# Altium PCB Carte_Alim-4L - CopieBK2023-02-12.PcbDoc (part 3 of 3)
Units mm, origin at the board's own origin, x right, y up, seen from the top; angles counter-clockwise.
Board outline 100 x 100 mm, 4 copper layers (Top Copper, Ground Plane, Power Plane, Bottom Copper), stack 1.57 mm thick; 239 components, 108 nets, 703 pads, 328 vias.
Unrouted connection lines stored in the file: 5.
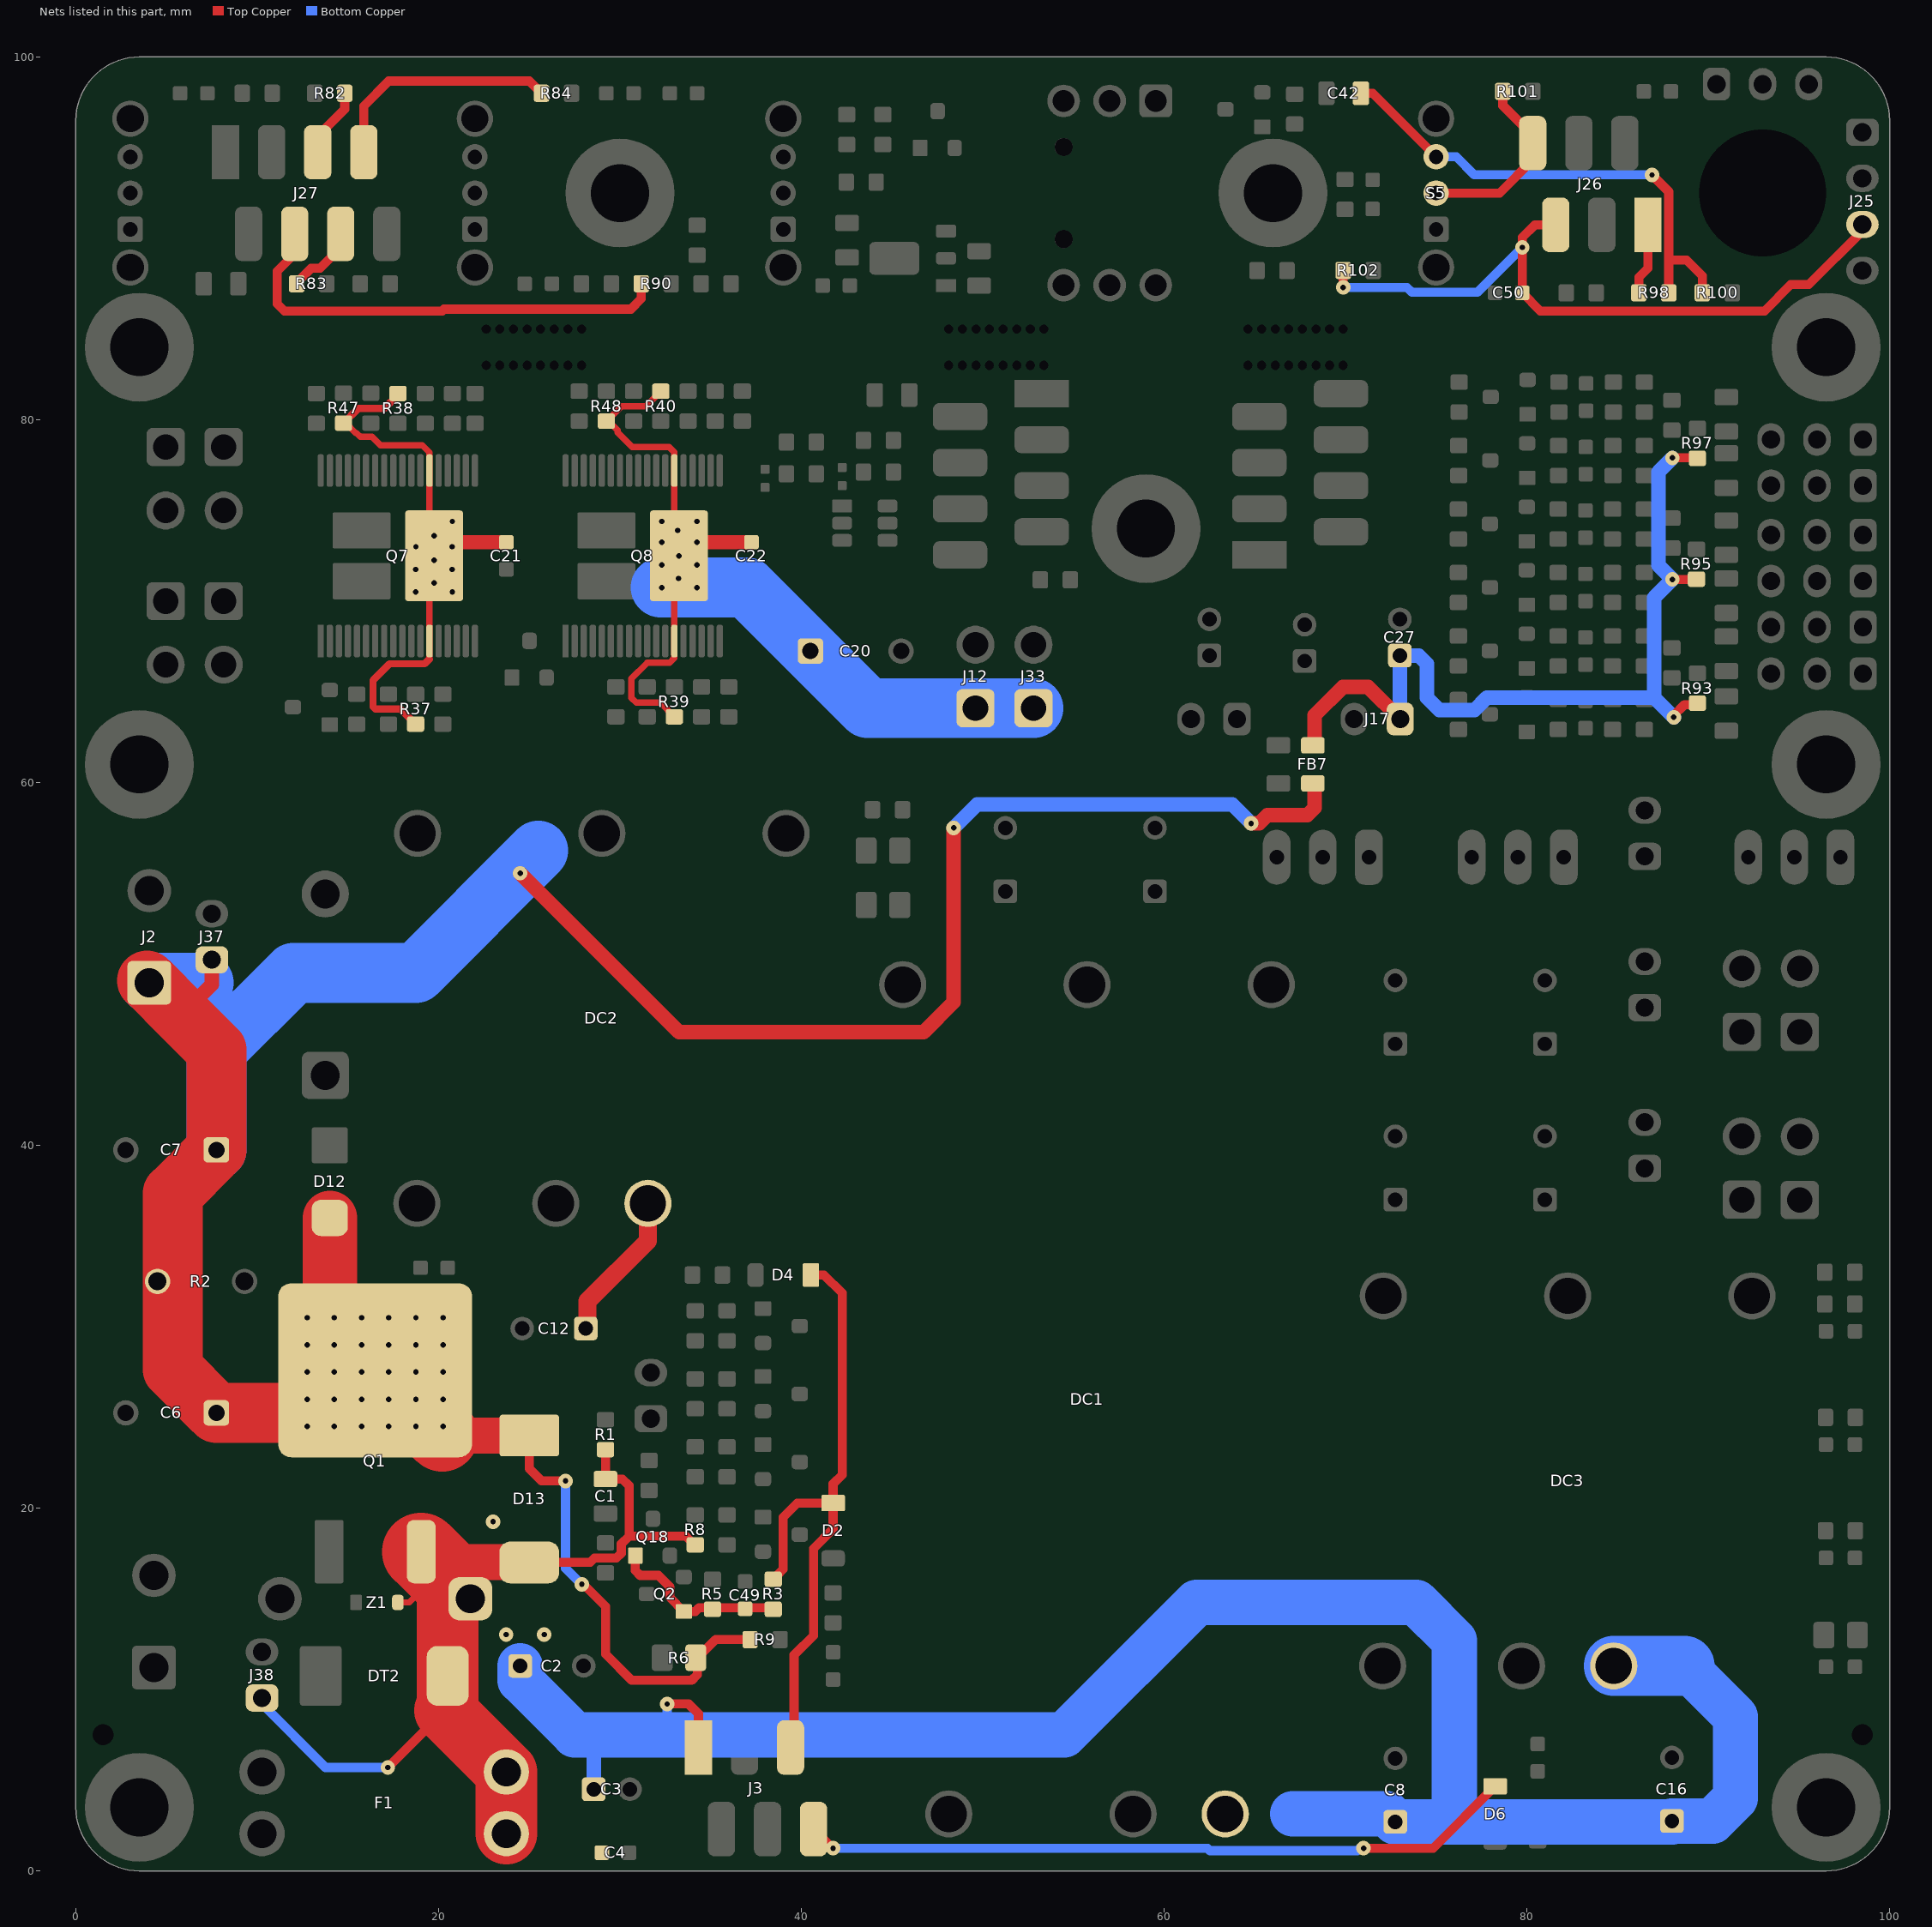
[diagram p5: the nets of this part, all layers, seen from the top]

## Via types
v1: diameter 0.8, hole 0.3, Top Copper to Bottom Copper, tented both sides, 328 vias

## Nets (pads, with @x,y where several pads share a name; then routed paths per layer and width w, separated by ;. In a path a pad name is that pad's centre, name@x,y a point inside that pad or via, vN(x,y) a via of type N, cw(c..) or ccw(c..) an arc to the next point about the centre after c; other vN are vias at no path point) (continued)
PWR: C6.1 C7.1 C20.1 C21.2 C22.2 D12.2 D13.1 FB7.1 J2.1 J12.1 J33.1 J37.1 Q1.4 Q7.13 Q7.24 Q7.37 Q8.13 Q8.24 Q8.37 R2.1 R6.1 R9.2 R37.2 R38.2 R39.2 R40.2 R47.2 R48.2 | length 254.2
  Top Copper w0.35: R47.2@14.759,79.815 14.885,79.815 15.435,79.265 15.482,79.265 15.681,79.066 16.333,79.066 16.803,78.596 19.104,78.596 19.5,78.2 Q7.24@19.5,77.2 Q7.37@19.5,72.75 ; 19.5,66.798 Q7.13@19.5,67.8 Q7.37@19.5,72.25 ; R40.2@32.25,81.575 31.425,80.75 30.075,80.75 R48.2@29.25,79.925 29.371,79.925 29.875,79.421 29.875,79.3 30.675,78.5 32.712,78.5 33,78.212 Q8.24@33,77.2 Q8.37@33,72.75 ; R39.2@33,63.628 32.228,64.4 30.9,64.4 30.625,64.675 30.625,64.696 30.626,64.697 30.626,65.731 31.493,66.598 32.728,66.598 33,66.87 33,71.25 33,72.25 v1(33.25,72.5)
  Top Copper w0.4: R47.2@14.759,79.815 15.569,80.625 17.009,80.625 17.759,81.375 R38.2@17.759,81.45 ; R37.2@18.734,63.222 17.909,64.047 16.518,64.047 16.384,64.182 16.384,65.64 17.292,66.547 19.234,66.547 19.484,66.798
  Top Copper w0.5: D13.1@25,24 25,22.175 25.675,21.5 v1(27,21.5) ; v1(27.9,15.8) 27.981,15.8 29.2,14.581 29.2,11.95 30.65,10.5 33.95,10.5 34.275,10.825 34.275,11.75 35.275,12.75 R9.2@37.175,12.75
  Top Copper w0.8: 5.835,47.175 5.835,47.195 7.5,48.86 J37.1@7.5,50.23 ; Q7.37@20.5,73.25 C21.2@23.735,73.25 ; v1(24.5,55) 33.25,46.25 46.75,46.25 48.4,47.9 v1(48.4,57.5) ; Q8.37@34,73.25 v1(34.25,73.25) C22.2@37.25,73.25 ; v1(64.801,57.75) 65.255,57.75 65.705,58.2 67.9,58.2 68.3,58.6 FB7.1@68.3,59.7
  Top Copper w2: Q1.4@20.2,24 D13.1@25,24
  Top Copper w3: D12.2@14,36 14,30.5 14,30.45 Q1.4@15.25,29.2
  Top Copper w3.3: J2.1@3.925,49.085 J2.1@4.05,48.96 5.835,47.175 7.75,45.26 C7.1@7.75,39.75 5.35,37.35 5.35,27.65 C6.1@7.61,25.39 ; C6.1@7.75,25.25 Q1.4@14.3,25.25
  Top Copper w4: Q1.4@16.5,27.7 Q1.4@20.2,24
  Bottom Copper w0.5: v1(27,21.5) 27,16.675 27.875,15.8 v1(27.9,15.8)
  Bottom Copper w0.8: v1(48.4,57.5) 49.7,58.8 63.751,58.8 v1(64.801,57.75)
  Bottom Copper w3.3: J2.1@4.05,48.96 7.04,48.96 ; C7.1@7.75,39.75 7.75,45.25 12,49.5 18.75,49.5 25.5,56.25 ; v1@32.25,70.75 v1(32.302,70.75) v1(34.25,70.75) 37,70.75 43.65,64.1 J12.1@49.6,64.1 J33.1@52.8,64.1
  other v1: 12.75,24.5 14.25,24.5 15.75,24.5 17.25,24.5 18.75,24.5 20.25,24.5 12.75,26 14.25,26 15.75,26 17.25,26 18.75,26 20.25,26 12.75,27.5 14.25,27.5 15.75,27.5 17.25,27.5 18.75,27.5 20.25,27.5 12.75,29 14.25,29 15.75,29 17.25,29 18.75,29 20.25,29 12.75,30.5 14.25,30.5 15.75,30.5 17.25,30.5 18.75,30.5 20.25,30.5 18.734,70.5 20.759,70.5 19.75,71 33.235,71.25 18.734,71.75 20.743,71.75 32.302,72 34.25,72 19.75,72.25 18.75,73 20.743,73 32.3,73.25 19.75,73.599 33.175,73.9 20.759,74.396 32.302,74.396 34.25,74.396
PWR_CAP: C27.1 FB7.2 J17.1 R93.1 R95.1 R97.1 | length 47.8
  Top Copper w0.5: v1(88.025,71.2) R95.1@89.35,71.2 ; v1(88.025,77.9) R97.1@89.4,77.9 ; v1(88.1,63.6) 88.1,63.7 88.7,64.3 R93.1@89.4,64.3
  Top Copper w0.8: FB7.2@68.3,62.3 68.3,63.71 69.867,65.277 71.243,65.277 J17.1@73.02,63.5
  Bottom Copper w0.8: J17.1@73.02,63.5 73,63.52 C27.1@73,67 74.05,67 74.5,66.55 74.5,64.675 75.175,64 77.114,64 77.791,64.677 87.023,64.677 87.025,64.675 ; v1(88.025,77.9) 87.25,77.125 87.25,71.975 v1(88.025,71.2) 87.025,70.2 87.025,64.675 ; v1(88.1,63.6) 87.025,64.675
SR_OD: C49.2 Q2.1 Q18.1 R3.2 R5.1 | length 9.7
  Top Copper w0.5: Q18.1@30.847,17.38 30.847,16.553 31.11,16.29 32.11,16.29 32.75,15.65 32.75,15.064 Q2.1@33.516,14.297 34.15,14.297 34.353,14.5 35.1,14.5 36.7,14.5 R3.2@38.375,14.5
SW_1: J27.5 R82.2 | length 3.9
  Top Copper w0.5: J27.5@13.335,94.75 13.335,95.635 14.825,97.125 R82.2@14.825,98
SW_2: J27.6 R83.2 | length 4
  Top Copper w0.5: R83.2@12.175,87.5 12.175,87.55 12.977,88.352 13.457,88.352 14.605,89.5 J27.6@14.605,90.25
SW_3: J27.7 R84.2 | length 13.2
  Top Copper w0.5: J27.7@15.875,94.75 15.875,97.3 17.25,98.675 25,98.675 R84.2@25.675,98
SW_AU: C50.1 D2.1 D4.1 J3.5 J25.3 J26.5 R3.1 R102.2 | length 73.9
  Top Copper w0.5: R3.1@38.45,16.075 38.5,16.075 38.675,16.25 38.675,16.3 39,16.625 39,19.495 39.78,20.275 D2.1@41.75,20.275 ; J3.5@39.405,6.8 39.6,6.995 39.6,11.9 40.675,12.975 40.675,17.775 41.75,18.85 D2.1@41.75,20.275 ; D4.1@40.525,32.85 41.25,32.85 42.25,31.85 42.25,21.834 41.75,21.334 D2.1@41.75,20.275 ; R102.2@69.859,88.216 R102.2@69.875,88.232 v1(69.875,87.3) ; J26.5@81.595,90.75 80.45,90.75 79.75,90.05 v1(79.75,89.5) C50.1@79.75,87 80.75,86 93.1,86 94.55,87.45 95.55,87.45 98.5,90.4 J25.3@98.5,90.77 ; J25.3@98.5,91 J25.3@98.5,91.27
  Bottom Copper w0.5: v1(69.875,87.3) 73.4,87.3 73.677,87.023 77.273,87.023 v1(79.75,89.5)
SW_L: D6.1 J3.6 J26.6 R101.1 S5.2 | length 49.9
  Top Copper w0.5: J3.6@40.675,2.3 41.725,1.25 v1(41.75,1.25) ; v1(71,1.25) 74.835,1.25 D6.1@78.25,4.665 ; S5.2@75,92.5 78.5,92.5 80.325,94.325 J26.6@80.325,95.25 80.325,95.675 78.675,97.325 R101.1@78.675,98.1
  Bottom Copper w0.5: v1(41.75,1.25) 62.393,1.25 62.53,1.113 70.64,1.113 v1@70.777,1.25
SW_TIRETTE: J27.4 R90.2 | length 25.6
  Top Copper w0.5: J27.4@12.065,90.25 12.065,89.157 11.1,88.192 11.1,86.4 11.5,86 20.2,86 20.3,86.1 30.6,86.1 31.175,86.675 R90.2@31.175,87.5
VBATT: C1.2 C2.1 C3.1 C4.2 C8.1 C12.1 C16.1 D13.2 DC1.1 DC2.1 DC3.1 DT2.2 F1.2 F1.4 J3.1 J26.1 J38.1 pad.0@21.75,15 Q1.3 R1.2 R8.2 R98.1 Z1.2 | length 179.6
  Top Copper w0.35: Z1.2@17.75,14.8 18.375,14.8 19.04,15.465
  Top Copper w0.5: v1(17.2,5.7) 20.343,8.842 ; 19.04,15.465 Q1.3@19.04,17.6 ; D13.2@25.5,17.014 28.356,17.014 28.592,17.25 29.808,17.25 30.07,17.512 30.07,18.02 30.502,18.452 ; C1.2@29.2,21.6 R1.2@29.2,23.225 ; C1.2@29.228,21.6 29.228,21.598 30.137,21.598 30.502,21.233 30.502,18.452 ; v1(32.6,9.2) 33.783,9.2 34.325,8.658 J3.1@34.325,6.8 ; R8.2@34.15,17.975 34.1,17.975 33.623,18.452 30.502,18.452 ; R98.1@86.175,87 86.175,87.858 86.675,88.358 J26.1@86.675,90.75
  Top Copper w1: C12.1@28.21,29.9 28.21,31.406 31.54,34.736 DC2.1@31.54,36.8
  Top Copper w2: 20.5,16.14 21.385,17.025 24.975,17.025 D13.2@25,17
  Top Copper w3.4: 20.343,8.842 F1.2@23.735,5.45 F1.4@23.735,2.05 ; 20.5,8.685 DT2.2@20.5,10.75 20.5,16.14
  Top Copper w4.3: Q1.3@19.04,17.6 20.5,16.14
  Bottom Copper w0.5: J38.1@10.265,9.53 10.265,9.195 13.76,5.7 v1(17.2,5.7) ; 32.6,7.5 v1(32.6,9.2)
  Bottom Copper w0.8: C3.1@28.55,4.5 28.55,6.25
  Bottom Copper w2.5: C2.1@24.5,11.3 24.5,10.5 27.5,7.5 28.55,7.5 32.6,7.5 54.5,7.5 61.8,14.8 73.9,14.8 76,12.7 76,3 76.3,2.7 ; 67.1,3.14 72.31,3.14 C8.1@72.75,2.7 76.3,2.7 ; C16.1@88,2.7 76.3,2.7 ; C16.1@88,2.75 90.25,2.75 91.5,4 91.5,8.5 88.7,11.3
  Bottom Copper w3.3: DC3.1@84.79,11.3 88.7,11.3
  other v1: 23.725,13.025 25.825,13.025 23,19.25
VBATT_CLAV: C42.2 R98.2 R100.1 S5.3 | length 27.9
  Top Copper w0.5: C42.2@70.85,98 71.5,98 S5.3@75,94.5 ; v1(86.9,93.5) 87.825,92.575 87.825,88.8 ; R98.2@87.825,87 87.825,88.8 ; R100.1@89.675,87 89.675,87.925 88.8,88.8 87.825,88.8
  Bottom Copper w0.5: S5.3@75,94.5 76.108,94.5 77.108,93.5 v1(86.9,93.5)
pads on no net: D14.1 D14.4 H1.1 H2.1 Q7.1 Q7.5 Q7.9 Q7.14 Q7.18 Q7.23 Q7.28 Q7.32 Q7.36 Q8.1 Q8.5 Q8.9 Q8.14 Q8.18 Q8.23 Q8.28 Q8.32 Q8.36 S1.1 S1.None S2.1 S2.None S3.1 S3.None S4.3 S4.4 S4.MH1 S4.MH2 S5.None

## Polygon pours and split planes (outlines as drawn)
GND on Top Copper "GND_Bot" (solid, pour order 46): 3.5,0 96.5,0 ccw(c96.5,3.5) 100,3.5 100,96.5 ccw(c96.5,96.5) 96.5,100 3.5,100 ccw(c3.5,96.5) 0,96.5 0,3.5 ccw(c3.5,3.5)
MOT1_P on Top Copper "MOT1_P_bot" (solid, pour order 44): 17,72.5 17.5,72.5 17.75,72.75 17.75,75 18,75.25 18.5,75.25 19,75.25 19.25,75.5 19.25,78.25 16.75,78.25 16.75,76.25 14.293,76.25 14.293,78.25 13.75,78.25 13.5,78 13.5,76 12,74.5 12,72.5 17.5,72.5
MOT1_N on Top Copper "MOT1_N_bot" (solid, pour order 43): 17,72.5 17.5,72.5 17.75,72.25 17.75,70 18,69.75 18.5,69.75 19,69.75 19.25,69.5 19.25,66.75 16.75,66.75 16.75,68.75 14.293,68.75 14.293,66.75 13.75,66.75 13.5,67 13.5,69 12,70.5 12,72.5 17.5,72.5
MOT2_P on Top Copper "MOT2_P_bot" (solid, pour order 42): 30.5,72.5 31,72.5 31.25,72.75 31.25,75 31.5,75.25 32,75.25 32.5,75.25 32.75,75.5 32.75,78.25 30.25,78.25 30.25,76.25 27.793,76.25 27.793,78.25 27.25,78.25 27,78 27,76 25.5,74.5 25.5,72.5 31,72.5
MOT2_N on Top Copper "MOT2_N_bot" (solid, pour order 41): 30.5,72.5 31,72.5 31.25,72.25 31.25,70 31.5,69.75 32,69.75 32.5,69.75 32.75,69.5 32.75,66.75 30.25,66.75 30.25,68.75 27.793,68.75 27.793,66.75 27.25,66.75 27,67 27,69 25.5,70.5 25.5,72.5 31,72.5
PWR on Top Copper "PWR_1" (solid, pour order 32): 1.75,51.25 12.515,51.25 18.75,45.015 18.75,40 18.75,35.275 27.4,26.625 27.4,21.263 26.106,19.97 10.603,19.97 2.073,28.5 1.75,28.823
VBATT on Top Copper "VBATT_1" (solid, pour order 31): 30.048,0 15.39,0 15.5,9.75 15.5,19.4 16.25,20.15 25.67,20.15 27.347,18.472 27.347,11 30.048,8.3
BATT_P on Top Copper "BATT_P" (solid, pour order 29): 12,8.75 11.901,0 0,0 0,13.75 7,13.75
GND on Bottom Copper "GND_Top" (solid, pour order 45): 3.5,0 96.5,0 ccw(c96.5,3.5) 100,3.5 100,96.5 ccw(c96.5,96.5) 96.5,100 3.5,100 ccw(c3.5,96.5) 0,96.5 0,3.5 ccw(c3.5,3.5)
12V on Bottom Copper "12V_1" (solid, pour order 37): 98,54.5 98,52.525 96.975,51.5 97,51.5 84.567,51.5 83.777,50.71 69.2,50.71 68,49.51 68,48.586 66.497,47.084 64.966,47.084 60.55,51.5 52.5,51.5 51.55,51.5 49.5,53.55 49.5,55.5 50,56 62.486,56 64.386,54.1 66.134,54.1 67.034,55 67.034,56.831 68.202,58 96.5,58 98,56.5 98,52.5
VBATT on Bottom Copper "VBATT_2" (solid, pour order 30): 28.565,38.65 29.165,39.25 33.8,39.25 34.4,38.65 34.4,35.025 30.035,30.66 30.035,25.252 27.375,22.592 27.375,11.9 30.075,9.2 37.6,9.2 53.7,9.2 61.2,16.7 86.1,16.7 92.8,10 92.8,2.8 91,1 62.8,1 53.4,1 47.3,1 44.8,3.5 32.25,3.5 31.5,4.25 28.926,4.25 23.361,9.5 20.8,9.5 18.9,9.5 18.4,10 18.4,18.65 26.3,26.55 26.3,32.89 28.565,35.079
5P on Bottom Copper "5P_1" (solid, pour order 36): 98,47 98,44.5 96,42.5 46.5,42.5 37,52 37,58 37.8,58.8 42.811,58.8 54.021,47.59 84.091,47.59 85.361,48.86 88.077,48.86 88.937,48 96.195,48 97,48
PWR on Bottom Copper "PWR_3" (solid, pour order 34): 28.5,62 21.5,62 23.304,63.804 23.304,68.196 23.05,68.45 12.875,68.45 11.875,69.45 11.875,75.5 21.5,75.5 27,70 28.5,70 31.296,72.796 31.296,76.921 31.85,77.475 36.05,77.475 36.375,77.15 36.375,74.659 36.517,74.517 45.284,65.75 54.75,65.75 55.5,65 55.5,63.5 54.5,62.5 42.506,62.5 38.006,67 27.5,67 27.5,62.77
PWR on Bottom Copper "PWR_2" (solid, pour order 33): 2,51 2,41.5 5.5,38 9,38 11.576,38 28.576,55 28.576,62 21.432,62 21.432,57.432 16,52 3,52
MOT2_P on Bottom Copper "MOT2_P" (solid, pour order 39): 30.75,75 31,74.75 31,73 30.75,72.75 26.75,72.75 26.5,72.75 22.5,76.75 22.25,77 18.25,77 17.5,76.25 8.75,76.25 8,77 4.75,77 3.75,78 3.75,79 4.5,79.75 8.75,79.75 10.25,78.25 15.75,78.25 16.5,78.25 17.5,79.25 23,79.25 27.25,75
MOT2_N on Bottom Copper "MOT2_N" (solid, pour order 40): 30.5,72.5 30.75,72.25 30.75,70.75 30,70 26,70 21,75 19.25,75 18,73.75 4.5,73.75 3.75,74.5 3.75,75.5 4.5,76.25 23,76.25 26.75,72.5
PWR on Bottom Copper "PWR_4" (solid, pour order 35): 6.35,27.6 11.925,33.175 21.6,33.175 23.125,31.65 23.125,23.551 18.424,18.85 10.525,18.85 6.35,23.025
5L on Bottom Copper "5L_1" (solid, pour order 38): 97.5,37.5 97.5,34 89,25.5 79.347,25.5 79,25.5 70,34.5 70,38.675 71.325,40 95,40
BATT_P on Power Plane (split plane): 11.924,5.968 11.924,0.51 3.304,0.51 2.916,0.562 2.537,0.663 2.175,0.813 1.836,1.009 1.525,1.248 1.248,1.525 1.009,1.836 0.813,2.175 0.663,2.537 0.562,2.916 0.51,3.304 0.51,3.5 0.51,13.924 3.968,13.924
MOT1_N on Power Plane (split plane): 17.674,70.282 12.218,64.826 1.782,64.826 1.403,65.205 1.403,68.174 9.75,68.174 9.779,68.179 9.804,68.196 14.032,72.424 17.674,72.424
PWR on Power Plane (split plane): 317 vertices, not listed, extent 0.51,14.076 58.924,83.924
MOT1_P on Power Plane (split plane): 17.674,72.576 14,72.576 13.971,72.571 13.946,72.554 9.718,68.326 1.403,68.326 1.403,72.045 1.728,72.369 1.752,72.353 1.782,72.347 1.811,72.353 1.836,72.369 1.852,72.394 1.858,72.424 10,72.424 10.029,72.429 10.054,72.446 12.282,74.674 17.674,74.674
MOT2_N on Power Plane (split plane): 26.996,72.596 27.008,72.588 27.021,72.579 27.05,72.574 31.224,72.574 31.224,70.532 30.668,69.976 26.332,69.976 21.504,74.804 21.479,74.821 21.45,74.826 12.25,74.826 12.221,74.821 12.196,74.804 9.968,72.576 1.75,72.576 1.739,72.574 1.376,72.937 1.376,76.624 10,76.624 10.029,76.629 10.054,76.646 10.632,77.224 22.368,77.224
MOT2_P on Power Plane (split plane): 28.146,75.246 28.171,75.229 28.2,75.224 30.768,75.224 31.224,74.768 31.224,72.726 27.082,72.726 22.454,77.354 22.429,77.371 22.4,77.376 10.6,77.376 10.571,77.371 10.546,77.354 9.968,76.776 1.376,76.776 1.376,79.768 1.732,80.124 23.268,80.124
3L_CLAV on Power Plane (split plane): 97.084,99.438 97.463,99.337 97.825,99.187 98.164,98.991 98.475,98.752 98.752,98.475 98.991,98.164 99.187,97.825 99.337,97.463 99.438,97.084 99.49,96.696 99.49,96.5 99.49,92.076 52.5,92.076 52.471,92.071 52.458,92.062 52.446,92.054 50.468,90.076 43.475,90.076 43.446,90.071 43.421,90.054 42.946,89.579 42.929,89.554 42.924,89.525 42.924,85.511 28.401,85.511 28.302,85.501 28.109,85.463 28.08,85.454 28.013,85.434 27.831,85.358 27.743,85.311 27.579,85.201 27.565,85.19 27.501,85.138 27.362,84.999 27.299,84.921 27.189,84.757 27.142,84.669 27.066,84.487 27.06,84.465 27.037,84.391 26.999,84.198 26.991,84.118 26.989,84.099 26.989,84.076 23.011,84.076 23.011,84.132 23.009,84.148 23.01,84.165 23.004,84.198 23.001,84.231 22.996,84.247 22.993,84.264 22.925,84.518 22.919,84.534 22.916,84.55 22.902,84.581 22.89,84.612 22.881,84.626 22.874,84.641 22.743,84.869 22.733,84.883 22.725,84.898 22.704,84.924 22.684,84.951 22.672,84.962 22.661,84.975 22.475,85.161 22.462,85.172 22.451,85.184 22.424,85.204 22.398,85.225 22.383,85.233 22.369,85.243 22.141,85.374 22.126,85.381 22.112,85.39 22.081,85.402 22.05,85.416 22.034,85.419 22.018,85.425 21.764,85.493 21.747,85.496 21.731,85.501 21.698,85.504 21.665,85.51 21.648,85.509 21.632,85.511 8.401,85.511 8.302,85.501 8.109,85.463 8.08,85.454 8.013,85.434 7.831,85.358 7.743,85.311 7.579,85.201 7.565,85.19 7.501,85.138 7.362,84.999 7.299,84.921 7.189,84.757 7.142,84.669 7.066,84.487 7.06,84.465 7.037,84.391 6.999,84.198 6.991,84.118 6.989,84.099 6.989,84.076 0.51,84.076 0.51,96.5 0.51,96.696 0.562,97.084 0.663,97.463 0.813,97.825 1.009,98.164 1.248,98.475 1.525,98.752 1.836,98.991 2.175,99.187 2.537,99.337 2.916,99.438 3.304,99.49 96.696,99.49
VBATT on Power Plane (split plane): 34.324,38.618 34.324,35.057 29.981,30.714 29.964,30.689 29.958,30.66 29.958,14.965 29.964,14.936 29.981,14.911 35.746,9.146 35.771,9.129 35.8,9.124 53.7,9.124 53.729,9.129 53.754,9.146 61.232,16.624 86.068,16.624 92.724,9.968 92.724,0.51 12.076,0.51 12.076,6 12.071,6.029 12.054,6.054 4.108,14 10.032,19.924 19.75,19.924 19.779,19.929 19.804,19.946 26.354,26.496 26.371,26.521 26.376,26.55 26.376,32.858 28.619,35.101 28.629,35.116 28.636,35.126 28.641,35.155 28.641,38.618 29.197,39.174 33.768,39.174
5L on Power Plane (split plane): 99.49,3.5 99.49,3.304 99.438,2.916 99.337,2.537 99.187,2.175 98.991,1.836 98.752,1.525 98.475,1.248 98.164,1.009 97.825,0.813 97.463,0.663 97.084,0.562 96.696,0.51 92.876,0.51 92.876,10 92.871,10.029 92.854,10.054 86.154,16.754 86.129,16.771 86.1,16.776 61.2,16.776 61.171,16.771 61.146,16.754 53.668,9.276 35.832,9.276 30.111,14.997 30.111,30.628 34.454,34.971 34.464,34.986 34.471,34.996 34.476,35.025 34.476,38.574 67.4,38.574 67.429,38.579 67.454,38.596 71.282,42.424 99.49,42.424
5P on Power Plane (split plane): 45.946,56.446 45.958,56.438 45.971,56.429 46,56.424 48.424,56.424 48.424,51.75 48.429,51.721 48.446,51.696 52.946,47.196 52.958,47.188 52.971,47.179 53,47.174 67.75,47.174 67.779,47.179 67.804,47.196 72.282,51.674 99.49,51.674 99.49,42.576 71.25,42.576 71.221,42.571 71.208,42.562 71.196,42.554 67.368,38.726 34.432,38.726 33.854,39.304 33.829,39.321 33.8,39.326 29.241,39.326 29.241,57.333 30.632,58.724 43.668,58.724
12V on Power Plane (split plane): 99.49,51.826 72.25,51.826 72.221,51.821 72.208,51.812 72.196,51.804 67.718,47.326 53.032,47.326 48.576,51.782 48.576,56.468 52.582,60.474 52.642,60.331 52.689,60.243 52.799,60.079 52.862,60.001 53.001,59.862 53.065,59.81 53.079,59.799 53.243,59.689 53.331,59.642 53.513,59.566 53.555,59.554 53.609,59.537 53.802,59.499 53.882,59.491 53.901,59.489 64.132,59.489 64.148,59.491 64.165,59.49 64.198,59.496 64.231,59.499 64.247,59.504 64.264,59.507 64.518,59.575 64.534,59.581 64.55,59.584 64.581,59.598 64.612,59.61 64.626,59.619 64.641,59.626 64.869,59.757 64.883,59.767 64.898,59.775 64.924,59.796 64.951,59.816 64.962,59.828 64.975,59.839 65.161,60.025 65.172,60.038 65.184,60.049 65.204,60.076 65.225,60.102 65.233,60.117 65.243,60.131 65.374,60.359 65.381,60.374 65.39,60.388 65.402,60.419 65.416,60.45 65.419,60.466 65.425,60.482 65.493,60.736 65.496,60.753 65.501,60.769 65.504,60.802 65.51,60.835 65.509,60.852 65.511,60.868 65.511,60.924 68.989,60.924 68.989,60.901 68.991,60.882 68.999,60.802 69.037,60.609 69.06,60.535 69.066,60.513 69.142,60.331 69.189,60.243 69.299,60.079 69.362,60.001 69.501,59.862 69.565,59.81 69.579,59.799 69.743,59.689 69.831,59.642 70.013,59.566 70.055,59.554 70.109,59.537 70.302,59.499 70.382,59.491 70.401,59.489 91.632,59.489 91.648,59.491 91.665,59.49 91.698,59.496 91.731,59.499 91.747,59.504 91.764,59.507 92.018,59.575 92.034,59.581 92.05,59.584 92.081,59.598 92.112,59.61 92.126,59.619 92.141,59.626 92.369,59.757 92.383,59.767 92.398,59.775 92.424,59.796 92.451,59.816 92.462,59.828 92.475,59.839 92.661,60.025 92.672,60.038 92.684,60.049 92.704,60.076 92.725,60.102 92.733,60.117 92.743,60.131 92.874,60.359 92.881,60.374 92.89,60.388 92.902,60.419 92.916,60.45 92.919,60.466 92.925,60.482 92.993,60.736 92.996,60.753 93.001,60.769 93.004,60.802 93.01,60.835 93.009,60.852 93.011,60.868 93.011,60.924 99.49,60.924
5L_CAP on Power Plane (split plane): 90.424,66.282 89.718,65.576 89.432,65.576 88.676,66.332 88.676,78.4 88.671,78.429 88.654,78.454 87.854,79.254 87.829,79.271 87.8,79.276 86.8,79.276 86.771,79.271 86.758,79.262 86.746,79.254 86.046,78.554 86.029,78.529 86.024,78.5 86.024,72.132 82.968,69.076 72.8,69.076 72.771,69.071 72.758,69.062 72.746,69.054 71.046,67.354 71.029,67.329 71.024,67.3 71.024,62.511 70.401,62.511 70.302,62.501 70.109,62.463 70.08,62.454 70.013,62.434 69.831,62.358 69.743,62.311 69.579,62.201 69.565,62.19 69.501,62.138 69.362,61.999 69.299,61.921 69.189,61.757 69.142,61.669 69.066,61.487 69.06,61.465 69.037,61.391 68.999,61.198 68.991,61.118 68.989,61.099 68.989,61.076 65.511,61.076 65.511,61.132 65.509,61.148 65.51,61.165 65.504,61.198 65.501,61.231 65.496,61.247 65.493,61.264 65.425,61.518 65.419,61.534 65.416,61.55 65.402,61.581 65.39,61.612 65.381,61.626 65.374,61.641 65.243,61.869 65.233,61.883 65.225,61.898 65.204,61.924 65.184,61.951 65.172,61.962 65.161,61.975 64.975,62.161 64.962,62.172 64.951,62.184 64.924,62.204 64.898,62.225 64.883,62.233 64.869,62.243 64.641,62.374 64.626,62.381 64.612,62.39 64.581,62.402 64.55,62.416 64.534,62.419 64.518,62.425 64.264,62.493 64.247,62.496 64.231,62.501 64.198,62.504 64.165,62.51 64.148,62.509 64.132,62.511 63.076,62.511 63.076,65.218 69.532,71.674 76.5,71.674 76.529,71.679 76.554,71.696 77.804,72.946 77.821,72.971 77.826,73 77.826,82.489 90.424,82.489
3L_CAP on Power Plane (split plane): 185 vertices, not listed, extent 59.076,62.511 77.674,83.924
PWR_CAP on Power Plane (split plane): 99.49,61.076 93.011,61.076 93.011,61.132 93.009,61.148 93.01,61.165 93.004,61.198 93.001,61.231 92.996,61.247 92.993,61.264 92.925,61.518 92.919,61.534 92.916,61.55 92.902,61.581 92.89,61.612 92.881,61.626 92.874,61.641 92.743,61.869 92.733,61.883 92.725,61.898 92.704,61.924 92.684,61.951 92.672,61.962 92.661,61.975 92.475,62.161 92.462,62.172 92.451,62.184 92.424,62.204 92.398,62.225 92.383,62.233 92.369,62.243 92.141,62.374 92.126,62.381 92.112,62.39 92.081,62.402 92.05,62.416 92.034,62.419 92.018,62.425 91.764,62.493 91.747,62.496 91.731,62.501 91.698,62.504 91.665,62.51 91.648,62.509 91.632,62.511 71.176,62.511 71.176,67.268 72.832,68.924 83,68.924 83.029,68.929 83.054,68.946 86.154,72.046 86.171,72.071 86.176,72.1 86.176,78.468 86.832,79.124 87.768,79.124 88.524,78.368 88.524,66.3 88.529,66.271 88.546,66.246 89.346,65.446 89.371,65.429 89.4,65.424 89.75,65.424 89.779,65.429 89.804,65.446 90.554,66.196 90.564,66.211 90.571,66.221 90.576,66.25 90.576,82.489 91.632,82.489 91.648,82.491 91.665,82.49 91.698,82.496 91.731,82.499 91.747,82.504 91.764,82.507 92.018,82.575 92.034,82.581 92.05,82.584 92.081,82.598 92.112,82.61 92.126,82.619 92.141,82.626 92.369,82.757 92.383,82.767 92.398,82.775 92.424,82.796 92.451,82.816 92.462,82.828 92.475,82.839 92.661,83.025 92.672,83.038 92.684,83.049 92.704,83.076 92.725,83.102 92.733,83.117 92.743,83.131 92.874,83.359 92.881,83.374 92.89,83.388 92.902,83.419 92.916,83.45 92.919,83.466 92.925,83.482 92.993,83.736 92.996,83.753 93.001,83.769 93.004,83.802 93.01,83.835 93.009,83.852 93.011,83.868 93.011,83.924 99.49,83.924
5L_CLAV on Power Plane (split plane): 185 vertices, not listed, extent 43.076,84.076 99.49,91.924
GND on Ground Plane (split plane): 97.084,99.438 97.463,99.337 97.825,99.187 98.164,98.991 98.475,98.752 98.752,98.475 98.991,98.164 99.187,97.825 99.337,97.463 99.438,97.084 99.49,96.696 99.49,96.5 99.49,3.5 99.49,3.304 99.438,2.916 99.337,2.537 99.187,2.175 98.991,1.836 98.752,1.525 98.475,1.248 98.164,1.009 97.825,0.813 97.463,0.663 97.084,0.562 96.696,0.51 3.304,0.51 2.916,0.562 2.537,0.663 2.175,0.813 1.836,1.009 1.525,1.248 1.248,1.525 1.009,1.836 0.813,2.175 0.663,2.537 0.562,2.916 0.51,3.304 0.51,3.5 0.51,96.5 0.51,96.696 0.562,97.084 0.663,97.463 0.813,97.825 1.009,98.164 1.248,98.475 1.525,98.752 1.836,98.991 2.175,99.187 2.537,99.337 2.916,99.438 3.304,99.49 96.696,99.49

## Other copper
Top Copper:
  region net PWR: 22.3,22.5 22.3,31.7 21.5,32.5 18.6,32.5 18.3,32.8 11.6,32.8 10.5,31.7 10.5,22.5
  region net MOT1_P: 17.7,72.6 17.7,75.9 13.6,75.9 13.6,72.6
  region net MOT2_P: 31.2,72.6 31.2,75.9 27.1,75.9 27.1,72.6
  region net MOT1_N: 17.7,72.3 17.7,69.1 13.6,69.1 13.6,72.3
  region net MOT2_N: 31.2,72.361 31.2,69.1 27.1,69.1 27.1,72.361
Bottom Copper:
  region net PWR: 18,73.5 19.268,74.768 21.021,74.768 22,73.788 22,69.5 18.5,69.5 18,70
  region net PWR: 31.5,75 32,75.5 35,75.5 35.5,75 35.5,70.39 35,69.89 32,69.89 31.5,70.39
  region net GND: 42.594,3.296 44.704,3.296 45.6,2.4 45.6,2 45.309,1.709 42.578,1.709 41.984,2.303 41.984,2.686 42.594,3.296
Power Plane (plane layer: these items are gaps in the copper):
  lines w0.15: 0,14 4,14 ; 0,84 59,84 ; 1.3,76.7 10,76.7 10.6,77.3 22.4,77.3 27.05,72.65 31.3,72.65 ; 1.326,68.25 9.75,68.25 14,72.5 17.75,72.5 ; 1.782,72.424 1.3,72.905 1.3,79.8 1.7,80.2 23.3,80.2 28.2,75.3 30.8,75.3 31.3,74.8 31.3,70.5 30.7,69.9 26.3,69.9 21.45,74.75 17.75,74.75 ; 12,0 12,6 4,14 ; 43,84 43,89.525 43.475,90 50.5,90 52.5,92 99.857,92 ; 63,61 63,65.25 69.5,71.75 76.5,71.75 77.75,73 77.75,84 ; 71.1,61 71.1,67.3 72.8,69 83,69 86.1,72.1 86.1,78.5 86.8,79.2 87.8,79.2 88.6,78.4 88.6,66.3 89.4,65.5 89.75,65.5 90.5,66.25 90.5,82.9 91.6,84 ; 92.8,0 92.8,10 86.1,16.7 61.2,16.7 53.7,9.2 35.8,9.2 30.035,14.965 30.035,30.66 34.4,35.025 34.4,38.65 ; 100,42.5 71.25,42.5 67.4,38.65 34.4,38.65 ; 100,51.75 72.25,51.75 67.75,47.25 53,47.25 48.5,51.75 48.5,56.5 ; 100,61 59,61 ; 100,84 59,84 ; 4,14 10,20 19.75,20 26.3,26.55 26.3,32.89 28.565,35.155 28.565,38.65 29.165,39.25 ; 17.75,74.75 17.75,70.25 12.25,64.75 1.75,64.75 1.326,65.174 1.326,72.076 1.75,72.5 10,72.5 12.25,74.75 17.75,74.75 ; 29.165,39.25 29.165,57.365 30.6,58.8 43.7,58.8 46,56.5 48.5,56.5 ; 29.165,39.25 33.8,39.25 34.4,38.65 ; 48.5,56.5 53,61 59,61 ; 59,61 59,84

## Silkscreen, mask and mechanical layers (free items; w line width, h text height)
Top Overlay:
  lines w0.2: 18.3,79.2 22,78.4
  text "SW_L" at 72.9,98.1 h1.27
  text "SW1" at 1.75,98 h1.27
  text "SW2" at 19.5,98 h1.27
  text "SW3" at 36.85,98 h1.27
  text "T" at 94.8,95.6 h1.27
  text "5V" at 69.9,94.3 h1.27
  text "RESET" at 50.6,90.6 h1.27 r90
  text "off on" at 36.2,90.1 h1.27 r90
  text "off on" at 25.6,89.9 h1.27 r90
  text "Nucleo" at 6.23,88.5 h1.27 r90
  text "CtrlAlim" at 78.676,88 h1.27 r90
  text "AU" at 94.8,87.2 h1.27
  text "Snap" at 49.25,83.678 h0.8
  text "Snap" at 65.75,83.678 h0.8
  text "Snap" at 23.5,83.614 h0.8
  text "+   -" at 0.5,80.25 h1.4 r270
  text "+   -" at 9.5,80 h1.4 r270
  text "M2" at 0.5,77.75 h1.27 r270
  text "M2" at 9.75,77.75 h1.27 r270
  text "C_Mot" at 57,76.75 h1.27 r90
  text "+   -" at 0.5,71.5 h1.4 r270
  text "+   -" at 9.5,71.5 h1.4 r270
  text "Capt. Out" at 73.5,71.5 h1.27 r90
  text "-" at 48.4,69.75 h1.4 r90
  text "M1" at 9.75,69.5 h1.27 r270
  text "M1" at 0.5,69.25 h1.27 r270
  text "-" at 57.25,69 h1.4 r90
  text "+" at 66,65.1 h1.4 r90
  text "+" at 75.5,64.77 h1.4 r90
  text "PWR" at 57.25,64.5 h1.4 r90
  text "5 B" at 65.594,63.457 h1.27
  text "+" at 48,62.75 h1.4 r90
  text "+" at 57.25,62.75 h1.4 r90
  text "PWR -  +" at 9.35,58.5 h1.4 r270
  text "12V" at 89.5,56 h1.4 r90
  text "+" at 89.5,54 h1.4 r90
  text "5P" at 90,48.5 h1.4 r90
  text "5P" at 99.5,47.25 h1.27 r90
  text "+" at 90,46 h1.4 r90
  text "+   -" at 99.5,45 h1.4 r90
  text "5L" at 90,39 h1.4 r90
  text "5L" at 99.5,38 h1.27 r90
  text "+" at 90,36.5 h1.4 r90
  text "+   -" at 99.5,35.5 h1.4 r90
  text "5L" at 96,27 h1.4
  text "BATT" at 9.7,22.6 h1.52 r270
  text "5P" at 96,20.703 h1.4
  text "-+" at 8.8,16.6 h1.52 r270
  text "12V" at 95.5,14.797 h1.4
  text "- | +" at 11.5,13.8 h1.52 r270
  text "Ctrl Alim" at 30.5,9 h1.27
  text "PWR" at 95.5,9 h1.4
Bottom Overlay:
  drawing of 157 lines, arcs and shapes, not listed
  text "Ctrl_Nucleo" at 18.5,98 h1.27
  text "Ctrl_Alim" at 87.45,97.35 h1.27
  text "2" at 8,97 h1.27 r90
  text "3" at 10.25,97 h1.27 r90
  text "4" at 12.25,97 h1.27 r90
  text "5" at 14.5,97 h1.27 r90
  text "6" at 16.5,97 h1.27 r90
  text "7" at 18.5,97 h1.27 r90
  text "8" at 20.5,97 h1.27 r90
  text "1" at 6,96.75 h1.27 r90
  text "2" at 79.7,96.6 h1.27 r90
  text "3" at 81.95,96.6 h1.27 r90
  text "4" at 83.95,96.6 h1.27 r90
  text "5" at 86.2,96.6 h1.27 r90
  text "6" at 88.2,96.6 h1.27 r90
  text "1" at 77.7,96.35 h1.27 r90
  text "Tirette" at 63.225,95.325 h1.27
  text "LED" at 6,95.25 h1.27 r90
  text "GND" at 8,95.25 h1.27 r90
  text "NRSt" at 10.25,95.25 h1.27 r90
  text "Tirette" at 12.25,95.25 h1.27 r90
  text "SW1" at 14.5,95 h1.27 r90
  text "SW2" at 16.5,95 h1.27 r90
  text "SW3" at 18.5,95 h1.27 r90
  text "AUStt" at 20.5,95 h1.27 r90
  text "VBAT" at 77.7,94.85 h1.27 r90
  text "GND" at 79.7,94.85 h1.27 r90
  text "5L" at 81.95,94.85 h1.27 r90
  text "LED_AU" at 83.95,94.85 h1.27 r90
  text "SW_AU" at 86.2,94.6 h1.27 r90
  text "SW_L" at 88.2,94.6 h1.27 r90
  text "2|GND" at 59,94.4 h1.27 r90
  text "3|SIG" at 61,94.4 h1.27 r90
  text "1|3V3" at 56.8,94.2 h1.27 r90
  text "AU_NC" at 92.6,87.4 h1.27
  text "Carte Clavier 2020" at 52.769,86 h2.5
  text "Goldorak Audran" at 25.5,85.9 h2
  text "LED AU" at 93.4,85.6 h1.27
  text "Ctrl_MOT" at 55,81 h1.27
  text "Capt. out" at 81.5,80.75 h1.27
  text "Capt. In" at 93.75,80.75 h1.27
  text "M2_PWM" at 42.75,79 h1.27
  text "5" at 44.75,79 h1.27
  text "VCC" at 53.5,79 h1.27
  text "1" at 55,79 h1.27
  text "Capt.3" at 69.25,78.75 h1.27
  text "5" at 71.25,78.75 h1.27
  text "VCC" at 80,78.75 h1.27
  text "1" at 81.5,78.75 h1.27
  text "6" at 91.25,78.25 h1.27
  text "PWR (not GND!)" at 30.25,78 h1.27
  text "M2_DIR" at 42.75,77 h1.27
  text "6" at 44.75,77 h1.27
  text "GND" at 53.5,77 h1.27
  text "2" at 55.25,77 h1.27
  text "Capt.4" at 69.25,76.75 h1.27
  text "6" at 71.25,76.75 h1.27
  text "GND" at 80,76.75 h1.27
  text "2" at 81.75,76.75 h1.27
  text "M2" at 1,75.75 h1.27 r270
  text "5" at 91.25,75.75 h1.27
  text "M1_CS" at 42.75,75 h1.27
  text "7" at 44.75,75 h1.27
  text "M1_PWM" at 53.5,74.75 h1.27
  text "3" at 55.25,74.75 h1.27
  text "Capt.5" at 69.25,74.75 h1.27
  text "7" at 71.25,74.75 h1.27
  text "Capt.1" at 80,74.5 h1.27
  text "3" at 81.75,74.5 h1.27
  text "-   +" at 0.75,74 h1.27 r270
  text "4" at 91.25,73 h1.27
  text "M2_CS" at 42.75,72.75 h1.27
  text "8" at 44.75,72.75 h1.27
  text "M1_DIR" at 53.5,72.75 h1.27
  text "4" at 55.25,72.75 h1.27
  text "Capt.6" at 69.25,72.5 h1.27
  text "8" at 71.25,72.5 h1.27
  text "Capt.2" at 80,72.5 h1.27
  text "4" at 81.75,72.5 h1.27
  text "3" at 91.25,70.5 h1.27
  text "-    +" at 57,70 h1.27 r90
  text "Carte Capteurs 2020" at 88.75,70 h2.5
  text "PWR" at 56.75,68 h1.27 r90
  text "Goldorak" at 84.7,68 h2
  text "2" at 91.25,68 h1.27
  text "M1" at 1,67.5 h1.27 r270
  text "Sig" at 89,66.75 h1.27
  text "Audran" at 82.5,66.25 h2
  text "- +" at 61.25,66 h1.27 r180
  text "5L" at 66.55,66 h1.27
  text "- +" at 70.5,66 h1.27 r180
  text "PWR" at 72,66 h1.27
  text "Carte Moteur 2020" at 36.5,65.5 h2.5
  text "1" at 91,65.5 h1.27
  text "-   +" at 0.75,65.25 h1.27 r270
  text "GND" at 89,64.5 h1.27
  text "Goldorak - Audran" at 34.75,63.5 h2
  text "V+" at 89,62.5 h1.27
  text "- +" at 89,58.75 h1.27 r90
  text "12V" at 90.75,58.75 h1.27 r90
  text "-    +" at 7.5,54.8 h1.27 r90
  text "-    +" at 16.5,52.75 h1.27 r90
  text "-   +" at 98.75,51 h1.27 r90
  text "GND" at 76.5,50.25 h1.27 r270
  text "12V" at 79.25,50.25 h1.27 r270
  text "PWR" at 8.9,49.8 h1.27 r270
  text "Data" at 82,49.5 h1.27 r270
  text "5P" at 98.25,49.25 h1.27 r90
  text "I got the POWER !!" at 48,44.13 h2.7
  text "Capa 10mF" at 17.25,43.75 h1.27 r270
  text "-   +" at 98.75,41.75 h1.27 r90
  text "5L" at 98.25,40 h1.27 r90
  text "PWR (not GND!)" at 27.2,33.7 h1.27
  text "-" at 30.2,26.8 h1.27
  text "oDrive" at 20.2,18.1 h1.27
  text "-   +" at 13.8,17.5 h1.27 r180
  text "-    +" at 2.5,17.3 h1.27 r90
  text "Carte Alimentation 2020" at 72.25,15.25 h2.5
  text "Goldorak - Audran" at 69.25,12.75 h2.5
  text "- +" at 12.5,12.4 h1.27 r90
  text "BATT" at 6.2,11.5 h1.27 r270
  text "Ctrl_Alim" at 43,10.5 h1.27
  text "2" at 35.25,9.75 h1.27 r90
  text "3" at 37.5,9.75 h1.27 r90
  text "4" at 39.5,9.75 h1.27 r90
  text "5" at 41.75,9.75 h1.27 r90
  text "6" at 43.75,9.75 h1.27 r90
  text "1" at 33.25,9.5 h1.27 r90
  text "Jauge" at 13.4,8.9 h1.27 r270
  text "nRST oDrive" at 29.4,8.5 h1.27 r270
  text "VBAT" at 33.25,8 h1.27 r90
  text "GND" at 35.25,8 h1.27 r90
  text "5L" at 37.5,8 h1.27 r90
  text "LED_AU" at 39.5,8 h1.27 r90
  text "SW_AU" at 41.75,7.75 h1.27 r90
  text "SW_L" at 43.75,7.75 h1.27 r90
  text "Fuse type:" at 23.6,7.45 h1.27
  text "ATO 257" at 21.6,5.2 h1.27
  text "ATC" at 21.6,3.2 h1.27
  text "Mini 897" at 21.6,1.45 h1.27
  text "Du feu jaillit la fumee" at 93.25,0.75 h1.6
Bottom Mask:
  region: 11.775,73.831 11.775,69.55 12.925,68.4 24.275,68.4 25.025,69.15 25.025,70.775 21,74.8 19.3,74.8 18.3,73.8 17.3,73.8 17.3,71 16.85,70.55 14.613,70.562 14.025,71.15 14.025,73.831
  region: 11.75,32.75 19.75,32.75 22.5,30 22.5,23.5 19.75,20.75 11.75,20.75 9,23.5 9,30
  region: 31.851,77.477 35.051,77.477 36.375,76.154 36.375,73.1 38.276,71.199 38.276,69.927 37.601,69.252 30.801,69.252 30.276,69.778 30.276,71.777 31.297,72.798 31.297,76.923
Board Outline:
  the board outline again, w0.1
Bottom Construction:
  lines w2: 8.5,61 20.5,61 ; 8.5,84 21.5,84 ; 28.5,84 47.5,84 ; 29.5,61 47.5,61 ; 54,61 64,61 ; 54,84 64,84 ; 56.5,61 ccw(c56.5,63.5) 59,63.5 ; 56.5,84 cw(c56.5,81.5) 59,81.5 ; 59,69.5 59,63.5 ; 59,78.5 59,81.5 ; 61.5,61 cw(c61.5,63.5) 59,63.5 ; 61.5,84 ccw(c61.5,81.5) 59,81.5 ; 70.5,61 91.5,61 ; 70.5,84 91.5,84

## Dimensions
0,96.5 to 58,81 on Dimension
100,96.5 to 60,81 on Dimension
91,60 to 96.5,0 on Dimension
91,85 to 96.5,100 on Dimension
91,62 to 91,83 on Dimension
0,3.5 to 100,3.5 on Dimension
3.5,0 to 3.5,100 on Dimension

## Text inside footprints (layer, text, board x,y; h text height)
C2: Top Overlay "+" at 21.95,12 h1.5 r180; Top 3D Body "+" at 23.5,12.05 h1.5 r180
C3: Top Overlay "+" at 26.75,5 h1 r180; Top 3D Body "+" at 27.75,4.9 h0.8 r180
C5: Top Overlay "+" at 13.05,37.36 h1.5 r270; Top 3D Body "+" at 13.05,39.56 h1.5 r270
C6: Top Overlay "+" at 10.55,24.5 h1.5; Top 3D Body "+" at 8.85,24.55 h1.5
C7: Top Overlay "+" at 10.55,39 h1.5; Top 3D Body "+" at 8.85,39.05 h1.5
C8: Top Overlay "+" at 72.05,0.15 h1.5 r270; Top 3D Body "+" at 72,1.7 h1.5 r270
C9: Top Overlay "+" at 58.8,51.45 h1.5 r270; Top 3D Body "+" at 58.75,53 h1.5 r270
C10: Top Overlay "+" at 50.55,51.45 h1.5 r270; Top 3D Body "+" at 50.5,53 h1.5 r270
C12: Top Overlay "+" at 30.66,29.2 h1.5; Top 3D Body "+" at 29.11,29.15 h1.5
C13: Top Overlay "+" at 80.3,43.04 h1.5 r270; Top 3D Body "+" at 80.25,44.59 h1.5 r270
C14: Top Overlay "+" at 72.05,43.04 h1.5 r270; Top 3D Body "+" at 72,44.59 h1.5 r270
C16: Top Overlay "+" at 87.3,0.2 h1.5 r270; Top 3D Body "+" at 87.25,1.75 h1.5 r270
C17: Top Overlay "+" at 72.05,34.45 h1.5 r270; Top 3D Body "+" at 72,36 h1.5 r270
C18: Top Overlay "+" at 80.3,34.45 h1.5 r270; Top 3D Body "+" at 80.25,36 h1.5 r270
C20: Top Overlay "+" at 37.7,68 h1.5 r180; Top 3D Body "+" at 39.4,67.95 h1.5 r180
C26: Top Overlay "+" at 62,65.2 h1 r270; Top 3D Body "+" at 62.1,66.2 h0.8 r270
C27: Top Overlay "+" at 72.5,65.2 h1 r270; Top 3D Body "+" at 72.6,66.2 h0.8 r270
C28: Top Overlay "+" at 67.25,64.9 h1 r270; Top 3D Body "+" at 67.35,65.9 h0.8 r270
D1: Top 3D Body "K" at 98.79,11.55 h1 r180
D3: Top 3D Body "K" at 98.79,17.55 h1 r180
D5: Top 3D Body "K" at 98.79,23.8 h1 r180
D7: Top 3D Body "K" at 98.79,30.05 h1 r180
D11: Top 3D Body "K" at 71.2,93.924 h1 r270
J3: Top Overlay "6" at 41,4.5 h1; Top Overlay "1" at 33.75,3.5 h1
J15: Top Overlay "8" at 51.75,71.75 h1 r90; Top Overlay "1" at 51.25,81.5 h1 r90
J16: Top Overlay "8" at 66.5,82.25 h1 r270; Top Overlay "1" at 67.5,72.25 h1 r270
J26: Top Overlay "6" at 79,92.25 h1; Top Overlay "1" at 87,92.75 h1
J27: Top Overlay "8" at 18.25,93.25 h1 r180; Top Overlay "1" at 8,92.75 h1 r180